# KiCad board Leopold Replacement.kicad_pcb (continued)
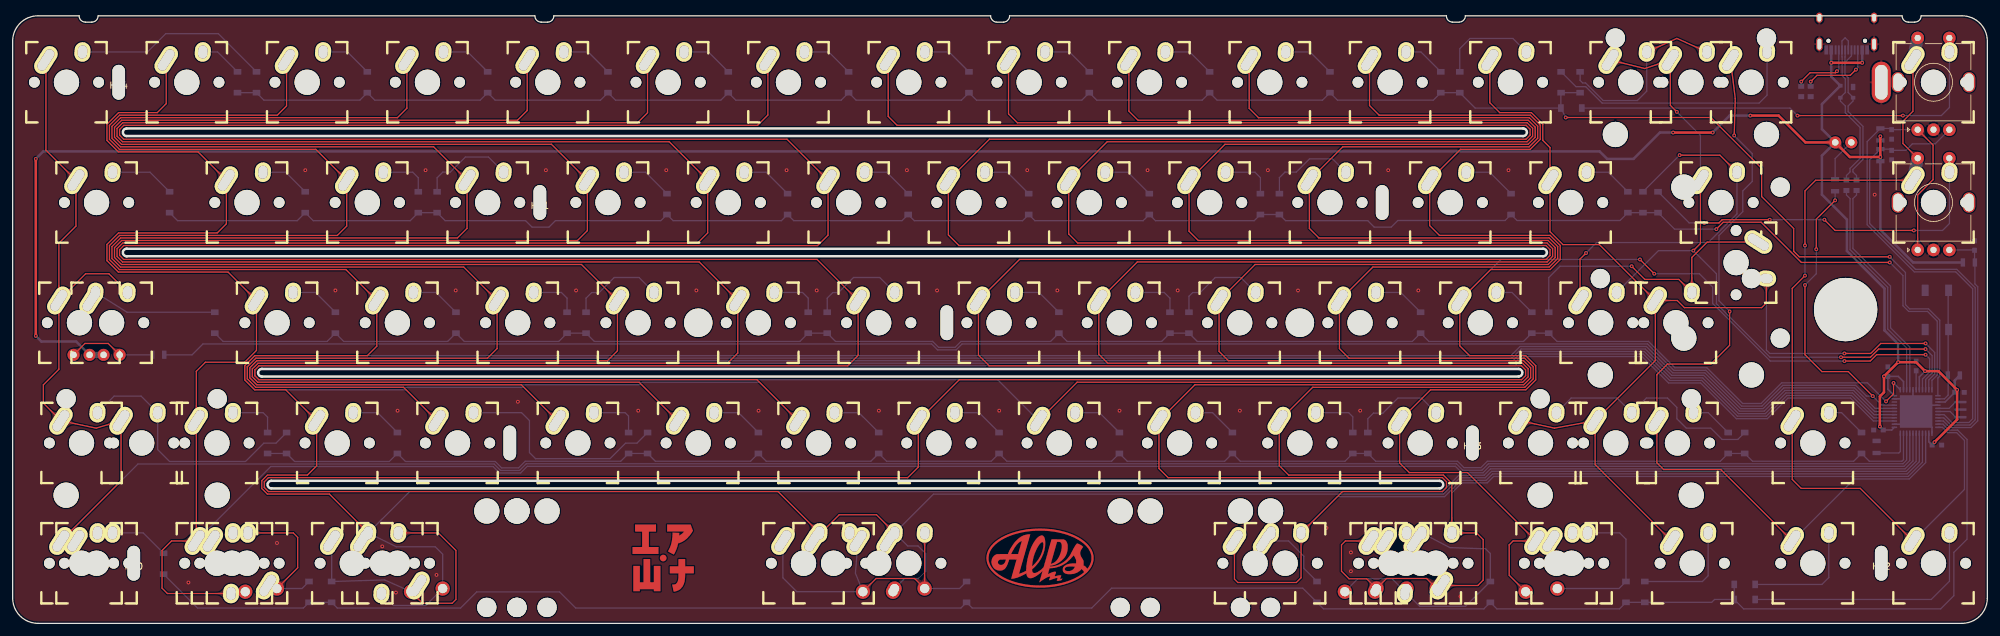
[diagram p0: board, top side]
## Routing (per net, layer and track width the routed paths; a pad name or vN(x,y) marks a point on that pad's centre or on a via; arc(x,y) is an arc through that point)
+5V: length 489.3
  Top w0.4: v1(295.06,77) v1(295.06,73.73) 290.25,73.73 D72.2 283.22,76.04 278.99,80.27 v1(274.52,80.27) ; v1(287.3,88.62) v1(292.2,88.62) ; v1(3.66,45.45) v1(3.66,73.43) ; v1(303.62,28.65) 307.19,32.22 v1(307.19,36.91) 304.23,39.88 v1(302.12,39.88) 300.71,41.29 v1(297.87,41.29) v1(295.64,39.06) 295.64,36.54 294.99,35.89 v1(294.99,31.12) ; v1(262.32,77.6) v1(268.57,77.6)
  Bottom w0.25: U2.7 301.22,38.97 v1(302.12,39.88) ; C5.2 296.85,30.57 U2.34 ; U2.14 305.29,34.99 C4.2 ; U2.44 296.25,37.02 C1.2 297.9,39.04 298.72,38.22 U2.2 ; C7.2 302.72,28.71 U2.24
  Bottom w0.4: USB1.2 v1(287.3,88.62) 287.3,86.45 U1.4 285.84,82.09 285.84,78.14 D72.2 285.84,73.94 285.84,67.77 289.78,63.83 289.78,58.87 295.72,52.93 295.72,46.32 297.87,44.17 v1(297.87,41.29) ; v1(295.06,73.73) R2.1 295.06,62.23 300.23,57.06 R7.1 ; v1(307.19,36.91) C4.2 306.81,38.39 R5.1 ; v1(3.66,45.45) 4.55,44.56 10.04,44.56 D71.2 ; v1(262.32,77.6) 260.24,77.6 256.07,73.43 251.9,73.43 250.71,74.62 4.85,74.62 v1(3.66,73.43) ; C1.2 v1(295.64,39.06) ; C5.2 v1(294.99,31.12) ; v1(268.57,77.6) 271.25,80.27 v1(274.52,80.27) ; R1.2 v1(295.06,77) ; C7.2 v1(303.62,28.65) ; USB1.11 v1(292.2,88.62)
  Bottom w1: D71.2 D55.2
GND: length 20.5
  Bottom w0.25: U2.23 303.22,30.99 U2.45 ; U2.45 298.72,31.49 U2.35 ; U2.45 300.22,33.99 U2.5 ; U2.45 298.72,35.49 U2.43 ; U2.45 301.72,34.49 U2.15
  vias: v1(27.77,6.46) v1(41.76,12.71) v1(46.22,71.64) v1(50.98,52.63) v1(58.39,12.17) v1(60.55,4.86) v1(60.81,33.62) v1(65.23,71.64) v1(66.96,7.66) v1(69.99,52.63) v1(79.82,35.03) v1(84.24,71.64) v1(89,52.63) v1(98.83,33.62) v1(103.25,71.64) v1(108.01,52.63) v1(117.84,33.62) v1(122.26,71.64) v1(127.02,52.63) v1(136.85,33.62) v1(141.27,71.64) v1(146.03,52.63) v1(155.86,33.62) v1(160.28,71.64) v1(165.04,52.63) v1(174.87,33.62) v1(179.29,71.64) v1(184.05,52.63) v1(193.88,33.62) v1(198.3,71.64) v1(203.06,52.63) v1(207.55,15.09) v1(211.42,11.22) v1(211.42,8.24) v1(212.89,33.62) v1(217.31,71.64) v1(222.07,52.63) v1(228.73,4.25) v1(236.32,71.64) v1(294.17,67.77)
/R+: length 25.9
  Bottom w0.2: USB1.8 290.5,89.73 289.48,88.71 289.48,88.46 ; 289.48,88.46 289.48,86.78 289.98,86.28 289.98,83.93 290.75,83.15 U1.2 290.75,82.58 289.98,81.8 289.98,80.92 292.31,78.58 292.31,73.34 290.73,71.75 290.73,71.37 291.3,70.8 R3.2 ; 289.48,88.46 289.48,89.54 289.5,89.57 USB1.6
/R-: length 27.5
  Bottom w0.2: USB1.7 290,92.08 289.53,92.55 289.47,92.55 289,92.08 USB1.5 289,89.57 289.02,89.54 289.02,86.59 289.52,86.09 289.52,83.93 288.75,83.15 U1.3 288.75,82.58 289.52,81.8 289.52,80.73 291.86,78.4 291.86,73.52 290.28,71.94 290.28,71.37 289.7,70.8 R4.2
Col0: length 411.7
  Top w0.2: MX87.1 7.3,60.1 10,62.81 MX2.1 5.25,74.81 5.25,89.07 ; MX87.1 7.3,40.16 4.85,37.71 4.85,34.82 MX58.1 13.18,30.86 MX4.1 17.13,22.53 MX55.1 ; MX87.1 11.52,55.27 15.2,55.27 MX3.2
  Bottom w0.2: U2.31 299.22,25.81 298.63,25.23 233.14,25.23 232.12,24.21 229.11,24.21 228.1,25.23 81.14,25.23 80.09,24.18 77.08,24.18 76.06,25.19 19.79,25.19 MX55.1
Col1: length 448.4
  Top w0.2: 24.26,89.07 24.26,82.16 22.84,80.74 16.73,80.74 14.89,78.9 14.89,76.35 16.7,74.54 29.28,74.54 MX6.1 33.77,63.17 32.32,61.73 16.73,61.73 14.89,59.89 14.89,57.34 16.7,55.53 34.03,55.53 MX7.1 38.52,43.15 36.65,41.28 30.44,41.28 29.01,39.85 MX8.1 MX67.1 25.11,13.03 23.6,11.52 23.6,5.56 24.45,4.72 MX91.2
  Bottom w0.2: U2.30 299.72,25.74 298.8,24.83 233.3,24.83 232.29,23.81 228.95,23.81 227.93,24.83 81.3,24.83 80.25,23.78 76.91,23.78 75.9,24.79 40.78,24.79 MX67.1
Col2: length 538.3
  Top w0.2: MX68.2 50.04,20.43 40.24,20.43 39.35,21.32 39.35,22.55 40.24,23.43 46.55,23.43 48.02,24.91 MX12.1 43.14,36.92 38.23,36.92 36.67,38.49 36.67,40.73 38.26,42.32 56.04,42.32 57.53,43.81 MX11.1 52.64,55.93 16.87,55.93 15.29,57.51 15.29,59.73 16.89,61.33 51.29,61.33 52.77,62.81 MX10.1 47.89,74.94 16.87,74.94 15.29,76.52 15.29,78.74 16.89,80.34 41.81,80.34 43.27,81.8 43.27,89.07
  Bottom w0.2: U2.29 300.22,25.68 298.97,24.43 233.47,24.43 232.46,23.41 228.47,23.41 225.89,20.83 62.71,20.83 MX68.2 60.61,12.1 66.76,12.11 67.93,10.93 MX92.1 65.25,2.82 60.15,2.82 MX93.2
Col3: length 633.3
  Top w0.2: 62.28,89.07 62.28,81.44 60.78,79.94 17.06,79.94 15.69,78.57 15.69,76.69 17.04,75.34 66.5,75.34 71.78,70.06 71.78,62.45 70.26,60.93 17.06,60.93 15.69,59.56 15.69,57.68 17.04,56.33 71.25,56.33 MX15.1 76.54,43.45 75,41.92 38.42,41.92 37.07,40.56 37.07,38.65 38.4,37.32 61.75,37.32 MX16.1
  Bottom w0.2: U2.40 294.23,33.99 290.99,37.23 279.81,37.23 276.54,33.95 272.98,33.95 267.33,39.61 262.27,39.61 258.1,43.77 238.14,43.77 236.69,42.32 38.26,42.32 36.67,40.73 36.67,38.49 38.23,36.92 62.15,36.92 MX16.1
Col4: length 762.9
  Top w0.2: MX20.1 80.36,37.72 38.57,37.72 37.47,38.82 37.47,40.4 38.59,41.52 93.97,41.52 95.55,43.09 MX19.1 89.86,56.73 17.2,56.73 16.09,57.84 16.09,59.4 17.22,60.53 89.23,60.53 90.8,62.09 MX18.1 85.11,75.74 17.2,75.74 16.09,76.85 16.09,78.41 17.22,79.54 79.75,79.54 81.29,81.08 81.29,89.07
  Bottom w0.2: U2.39 294.16,33.49 290.83,36.83 279.98,36.83 276.71,33.55 272.82,33.55 267.16,39.21 262.1,39.21 257.93,43.37 238.31,43.37 236.85,41.92 38.42,41.92 37.07,40.56 37.07,38.65 38.4,37.32 80.76,37.32 MX20.1
Col5: length 892.5
  Top w0.2: MX24.1 98.97,38.12 38.73,38.12 37.87,38.99 37.87,40.23 38.75,41.12 112.94,41.12 114.56,42.73 MX23.1 108.47,57.13 17.37,57.13 16.49,58.01 16.49,59.23 17.39,60.13 108.2,60.13 109.81,61.73 MX22.1 103.72,76.14 17.37,76.14 16.49,77.02 16.49,78.24 17.39,79.14 98.72,79.14 100.3,80.72 100.3,89.07
  Bottom w0.2: U2.38 294.09,32.99 290.66,36.43 280.15,36.43 276.87,33.15 272.65,33.15 267,38.81 261.94,38.81 257.77,42.97 238.47,42.97 237.02,41.52 38.59,41.52 37.47,40.4 37.47,38.82 38.57,37.72 99.37,37.72 MX24.1
Col6: length 1022.1
  Top w0.2: 119.31,89.07 119.31,80.36 117.69,78.74 17.56,78.74 16.89,78.08 16.89,77.18 17.53,76.54 122.33,76.54 MX26.1 128.81,61.38 127.17,59.73 17.55,59.73 16.89,59.07 16.89,58.17 17.53,57.53 127.08,57.53 MX27.1 133.57,42.37 131.91,40.72 38.92,40.72 38.27,40.07 38.27,39.15 38.9,38.52 117.58,38.52 MX28.1
  Bottom w0.2: MX28.1 117.98,38.12 38.73,38.12 37.87,38.99 37.87,40.23 38.75,41.12 237.19,41.12 238.64,42.57 257.6,42.57 261.77,38.41 266.83,38.41 272.49,32.75 277.04,32.75 280.31,36.03 290.5,36.03 294.03,32.49 U2.37
Col7: length 1006.3
  Top w0.2: MX82.1 130.58,17.17 136.47,17.17 MX86.2 ; 138.32,89.07 138.32,80.15 139.73,78.74 239.1,78.74 239.73,78.11 239.73,77.19 239.08,76.54 154.31,76.54 147.82,70.06 147.82,61.41 149.5,59.74 242.23,59.74 242.89,59.08 242.89,58.18 242.24,57.53 159.06,57.53 MX31.1 152.58,42.41 154.27,40.72 238.37,40.72 239.02,40.07 239.02,39.15 238.39,38.52 149.56,38.52 MX32.1 143.07,24.71 141.4,23.03 40.41,23.03 39.75,22.38 39.75,21.49 40.41,20.83 120.92,20.83 MX83.2
  Bottom w0.2: U2.28 300.72,25.61 299.13,24.03 233.64,24.03 232.62,23.01 228.63,23.01 226.05,20.43 145.48,20.43 MX86.2 141.41,12.23 143.03,12.23 144.24,11.02 144.24,8.23 143.1,7.09 140.9,7.09 MX85.1
Col8: length 884.7
  Top w0.2: 157.33,89.07 157.33,80.55 158.74,79.14 239.27,79.14 240.13,78.27 240.13,77.03 239.25,76.14 172.92,76.14 MX34.1 166.84,61.56 168.26,60.14 242.4,60.14 243.29,59.24 243.29,58.02 242.4,57.13 177.67,57.13 MX35.1 171.59,42.56 173.02,41.12 238.53,41.12 239.42,40.23 239.42,38.99 238.56,38.12 168.17,38.12 MX36.1
  Bottom w0.2: MX36.1 155.6,38.52 38.9,38.52 38.27,39.15 38.27,40.07 38.92,40.72 237.35,40.72 238.81,42.17 257.44,42.17 261.61,38.01 266.67,38.01 272.32,32.35 277.2,32.35 280.48,35.63 290.33,35.63 293.96,31.99 U2.36
Col9: length 590
  Top w0.2: MX77.1 193.02,6.99 193.56,6.46 202.79,6.46 203.55,7.22 MX79.2 210.09,20.83 225.87,20.83 226.52,21.49 226.52,22.38 225.87,23.03 182.55,23.03 181.09,24.49 MX40.1 186.78,37.72 238.72,37.72 239.82,38.82 239.82,40.4 238.7,41.52 192.07,41.52 190.6,43 MX39.1 196.28,56.73 242.57,56.73 243.69,57.85 243.69,59.41 242.56,60.54 187.31,60.54 185.84,62 MX38.1 191.53,75.74 239.41,75.74 240.53,76.86 240.53,78.44 239.43,79.54 177.79,79.54 176.34,80.99 176.34,89.07
  Bottom w0.2: U2.27 301.22,25.55 299.3,23.63 233.8,23.63 232.79,22.61 228.8,22.61 226.22,20.03 209.29,20.03 MX79.2
Col10: length 442.2
  Top w0.2: MX69.1 223.39,7.09 217.04,7.09 MX71.1 213.92,7.05 211.12,7.05 209.93,8.24 209.93,12.41 210.55,13.03 MX72.1 ; 195.35,89.07 195.35,81.43 196.84,79.94 239.6,79.94 240.93,78.61 240.93,76.7 239.58,75.34 210.14,75.34 MX42.1 204.85,62.44 206.36,60.94 242.73,60.94 244.09,59.57 244.09,57.69 242.73,56.33 214.89,56.33 MX43.1 209.61,43.44 211.12,41.92 238.87,41.92 240.22,40.56 240.22,38.65 238.89,37.32 205.39,37.32 MX44.1 200.1,24.93 201.6,23.43 226.03,23.43 227.36,22.1 MX80.2 231.27,14.3 232.31,13.25 232.31,6.83 231.47,5.99 MX96.1
  Bottom w0.2: MX80.2 227.36,20.61 228.96,22.21 232.95,22.21 233.97,23.23 299.46,23.23 301.72,25.48 U2.26
Col11: length 292
  Top w0.2: v1(259.34,55.27) v1(257.08,57.53) ; 214.36,89.07 214.36,81.87 215.89,80.34 239.76,80.34 241.33,78.77 241.33,76.53 239.74,74.94 228.75,74.94 MX46.1 223.87,62.88 225.41,61.34 242.89,61.34 244.49,59.74 244.49,57.52 242.9,55.93 233.5,55.93 MX47.1 228.62,43.88 230.17,42.32 239.03,42.32 240.62,40.73 240.62,38.49 239.05,36.92 224,36.92 MX48.1 219.11,25.37 220.65,23.83 229.84,23.83 MX84.1 237.04,13.03 236.42,12.41 236.42,7.61 MX70.2 ; v1(302.21,42.47) 294.47,42.47 293.47,41.47 v1(289.38,41.47)
  Bottom w0.2: v1(289.38,41.47) 277.67,41.47 268.57,50.57 268.57,53.19 266.48,55.27 v1(259.34,55.27) ; U2.8 301.72,38.62 302.85,39.75 302.85,41.83 v1(302.21,42.47) ; v1(257.08,57.53) 235.1,57.53 MX47.1
Col12: length 182
  Top w0.2: MX74.1 250,25.11 MX52.1 ; MX64.2 277.06,50.66 276.31,49.91 264.11,49.91 262.97,51.05 MX51.1 ; MX52.1 259.51,41.54 MX51.1 ; MX52.1 243.57,30.86 MX89.1 ; v1(302.21,44.26) 295.12,44.26 293.54,42.67 v1(289.38,42.67) ; MX51.1 250.68,59.88 244.92,59.88 242.88,61.92 MX50.1 242.88,75.22 241.73,76.36 241.73,78.94 239.93,80.74 234.94,80.74 233.37,82.31 233.37,89.07
  Bottom w0.2: v1(302.21,44.26) 303.65,42.82 303.65,39.42 302.72,38.49 U2.10 ; v1(289.38,42.67) 277.6,42.67 277.06,43.21 MX64.2
Col13: length 111.6
  Top w0.2: v1(302.21,43.36) 294.79,43.36 293.5,42.07 v1(288.84,42.07) ; MX54.1 266.64,60.06 v1(265.51,58.93) ; v1(262.92,80.87) 261.88,81.9 261.88,89.07 257.86,87.72 252.38,89.07
  Bottom w0.2: MX54.1 266.64,77.14 v1(262.92,80.87) ; U2.9 302.22,38.55 303.25,39.58 303.25,42.32 302.21,43.36 v1(302.21,43.36) ; v1(288.84,42.07) 277.63,42.07 269.17,50.54 269.17,55.27 v1(265.51,58.93) 260.02,58.93 MX65.2
Col14: length 133.9
  Top w0.2: v1(271.97,77.13) 272.14,82.95 271.39,89.07 ; v1(271.25,49.31) 271.25,43.96 268.27,40.98 261.43,40.98 259.76,39.31 MX60.1 259.76,25.39 260.83,24.31 269.86,24.31 MX75.1
  Bottom w0.2: v1(271.25,49.31) 269.57,51 269.57,61.33 273.33,65.09 273.33,68.37 274.82,69.86 274.82,74.28 v1(271.97,77.13) ; U2.25 302.22,25.42 299.63,22.83 290.95,22.83 MX75.1
Col15: length 135.9
  Top w0.2: 300.2,89.07 300.2,80.95 298.63,79.38 298.63,75.86 SW3.S2 ; MX76.1 291.89,21.34 282.56,21.34 281.14,22.75 MX56.1 281.14,52.96 v1(283.16,54.97) ; v1(283.16,59.74) 283.16,68.37 284.84,70.06 MX62.1
  Bottom w0.2: MX76.1 308.35,21.18 308.35,28.91 307.11,30.16 305.71,30.16 304.87,30.99 U2.22 ; v1(283.16,54.97) v1(283.16,59.74)
  Bottom w2: MX62.1 SW3.S2 ; 300.2,89.07 300.96,92.55
D+: length 35.5
  Bottom w0.2: U2.4 299.72,43.67 296.68,46.72 296.68,53.32 290.73,59.26 290.73,67.15 291.3,67.72 R3.1
D-: length 35.4
  Bottom w0.2: R4.1 289.7,67.72 290.28,67.15 290.28,59.08 296.23,53.13 296.23,46.53 299.22,43.54 U2.3
EC_A: length 90.9
  Top w0.2: SW3.A 300.96,67.72 303.4,70.15 303.4,75.61 300.96,78.05
  Bottom w0.2: U2.18 305.14,32.99 306.37,31.76 309.05,31.76 309.65,32.35 309.65,52.89 306.97,55.57 300.42,55.57 292.98,63.01 292.98,76.16 R1.1 296.91,78.25 ; 300.96,78.05 296.7,78.05
EC_B: length 73.2
  Bottom w0.2: 305.96,78.05 303.72,75.81 300.12,75.81 299.09,74.77 C3.1 ; U2.19 305.07,32.49 306.21,31.36 309.22,31.36 310.05,32.19 310.05,53.06 307.13,55.97 300.62,55.97 293.38,63.21 293.38,73.29 R2.2 296.91,74.97
EC_C: length 38.4
  Bottom w0.2: U2.20 305.01,31.99 306.04,30.96 309.38,30.96 310.45,32.02 310.45,53.22 310,53.67 R7.2 ; SW3.B 310.05,59.04 ; C8.1 309.95,57.06
Row0: length 319.2
  Top w0.2: v1(245.35,79.98) 268.27,79.98 276.31,71.94 276.31,67.48 281.37,62.41 281.37,58.84 282.26,57.95 v1(296.55,57.95)
  Bottom w0.2: U2.12 304.16,38.8 304.45,39.09 304.45,47.94 302.67,49.72 299.69,49.72 299.03,50.38 299.03,55.46 296.55,57.95 v1(296.55,57.95) ; D5.1 D1.1 39.71,82.71 54.84,82.71 D9.1 57.22,82.71 73.85,82.71 D13.1 76.23,82.71 92.86,82.71 D17.1 95.24,82.71 111.87,82.71 D21.1 114.25,82.71 130.88,82.71 D25.1 133.26,82.71 149.89,82.71 D29.1 152.27,82.71 168.9,82.71 D33.1 171.28,82.71 187.91,82.71 D37.1 190.29,82.71 206.92,82.71 D41.1 209.3,82.71 224.43,82.71 D45.1 D49.1 231.05,81.47 D61.1 ; D61.1 v1(245.35,79.98) ; D61.1 244.6,83.98 ; D57.1 D53.1
Row1: length 311.7
  Top w0.2: v1(269.15,62.33) 270.24,63.41 276.24,63.41 282.59,57.06 v1(296.55,57.06)
  Bottom w0.2: U2.11 303.22,38.42 304.05,39.25 304.05,47.78 302.5,49.32 299.53,49.32 298.63,50.21 298.63,54.97 v1(296.55,57.06) ; D2.1 26.06,63.66 44.95,63.66 D6.1 47.49,63.66 62.81,63.66 D10.1 D14.1 68.33,63.66 81.04,63.66 82.05,62.65 84.73,62.65 85.74,63.66 102.4,63.66 D18.1 104.35,63.66 121.45,63.66 D22.1 123.4,63.66 140.5,63.66 D26.1 142.45,63.66 159.55,63.66 D30.1 161.5,63.66 178.6,63.66 D34.1 180.55,63.66 196.15,63.66 D38.1 D42.1 201.1,63.66 214.09,63.66 215.1,62.65 217.78,62.65 218.83,63.69 235.78,63.69 D46.1 237.66,63.69 253.94,63.69 D50.1 D54.1 D62.1 262.55,62.33 v1(269.15,62.33)
Row2: length 285.6
  Top w0.2: v1(295.96,35.09) 297.15,36.28 v1(297.15,38.01)
  Bottom w0.2: D3.1 33.24,44.57 49.68,44.57 D7.1 52.29,44.57 68.73,44.57 D11.1 71.34,44.57 86.28,44.57 D15.1 D19.1 91.89,44.57 124.38,44.57 D23.1 D27.1 129.99,44.57 145.34,44.57 146.28,43.63 148.88,43.63 149.82,44.57 163.98,44.57 D31.1 166.59,44.57 181.53,44.57 D35.1 D39.1 187.14,44.57 221.13,44.57 D43.1 223.74,44.57 238.69,44.57 D47.1 D51.1 243.98,44.57 258.43,44.57 262.6,40.41 267.66,40.41 273.31,34.76 276.22,34.76 279.48,38.03 293.02,38.03 v1(295.96,35.09)
  Bottom w0.25: v1(297.15,38.01) 298.22,36.94 U2.1
Row3: length 275.2
  Bottom w0.2: U2.32 298.72,25.88 298.47,25.63 293.32,25.63 D56.1 290.85,25.63 274.87,25.63 D52.1 D58.1 269.78,25.63 232.97,25.63 231.96,24.61 229.28,24.61 228.27,25.63 215.34,25.63 D48.1 D44.1 210.48,25.63 193.95,25.63 D40.1 191.47,25.63 176.08,25.63 D36.1 173.6,25.63 157.07,25.63 D32.1 154.59,25.63 138.06,25.63 D28.1 135.58,25.63 119.05,25.63 D24.1 116.57,25.63 101.54,25.63 D16.1 D20.1 96.06,25.63 80.97,25.63 79.92,24.58 77.24,24.58 76.23,25.59 62.05,25.59 D12.1 59.51,25.59 44.54,25.59 D4.1 D8.1
Row4: length 327.8
  Bottom w0.2: D66.1 268.87,3.78 268.41,3.32 D64.1 D69.1 253.85,2.29 234.48,2.29 D68.1 232.42,2.29 207.09,2.29 D67.1 203.82,5.56 173.62,5.56 170.48,2.42 151.59,2.42 D70.1 149.81,2.42 88.95,2.42 86.4,4.97 73.31,4.97 70.76,2.42 51.28,2.42 D63.1 D60.1 45.92,2.42 29.2,2.42 D59.1 ; D66.1 D65.1 ; D66.1 273.47,2.29 304.59,2.29 306.67,4.37 306.67,11.22 308.75,13.3 308.75,29.08 307.28,30.56 305.88,30.56 304.94,31.49 U2.21
RST: length 18.5
  Bottom w0.2: U2.13 305.19,35.49 305.78,36.08 305.78,52.58 SW1.2
Net-(C6-Pad1): length 3
  Bottom w0.2: U2.6 C6.1
Net-(D1-Pad2): length 31.2
  Bottom w0.2: MX1.2 21.29,90.34 24.2,93.24 32.48,93.24 D1.2
Net-(D2-Pad2): length 10.3
  Bottom w0.2: D2.2 21.7,71.33 MX2.2
Net-(D3-Pad2): length 19.8
  Bottom w0.2: D3.2 18.08,49.18 MX87.2
Net-(D4-Pad2): length 40.5
  Bottom w0.2: MX58.2 16.02,35.92 20.29,35.92 MX4.2 22.91,27.48 24.79,25.59 36.78,25.59 39.67,28.48 41.59,28.48 D4.2
Net-(D5-Pad2): length 6.8
  Bottom w0.2: D5.2 32.38,90.34 30.03,90.34
Net-(D6-Pad2): length 8
  Bottom w0.2: D6.2 43.13,71.33 MX6.2
Net-(D7-Pad2): length 8
  Bottom w0.2: MX7.2 47.85,52.32 D7.2
Net-(D8-Pad2): length 8.2
  Bottom w0.2: MX8.2 39.57,33.31 40.27,32.6 D8.2
Net-(D9-Pad2): length 8.3
  Bottom w0.2: MX9.2 52.89,90.34 D9.2
Net-(D10-Pad2): length 8.1
  Bottom w0.2: D10.2 64.08,70.45 63.21,71.33 MX10.2
Net-(D11-Pad2): length 8
  Bottom w0.2: D11.2 66.9,52.32 MX11.2
Net-(D12-Pad2): length 8.3
  Bottom w0.2: D12.2 57.64,33.31 MX12.2
Net-(D13-Pad2): length 8.3
  Bottom w0.2: 68.06,90.34 71.9,90.34 D13.2
Net-(D14-Pad2): length 15.1
  Bottom w0.2: D14.2 67.06,70.45 67.95,71.34 69.14,71.34 71.52,73.73 75.16,73.73 MX14.2
Net-(D15-Pad2): length 7.9
  Bottom w0.2: D15.2 87.58,51.41 86.68,52.32 MX15.2
Net-(D16-Pad2): length 35.2
  Bottom w0.2: D16.2 98.62,28.48 96.82,28.48 94.37,26.03 82.61,26.03 81.64,26.99 81.64,32.05 80.39,33.31 MX16.2
Net-(D17-Pad2): length 8.3
  Bottom w0.2: MX17.2 90.91,90.34 D17.2
Net-(D18-Pad2): length 8.2
  Bottom w0.2: MX18.2 99.98,71.33 D18.2
Net-(D19-Pad2): length 15.3
  Bottom w0.2: MX19.2 98.96,54.68 95.04,54.68 92.66,52.29 91.46,52.29 90.58,51.41 D19.2
Net-(D20-Pad2): length 8.3
  Bottom w0.2: MX20.2 96.76,33.31 97.3,32.76 D20.2
Net-(D21-Pad2): length 8.3
  Bottom w0.2: D21.2 109.92,90.34 MX21.2
Net-(D22-Pad2): length 8.2
  Bottom w0.2: D22.2 119.03,71.33 MX22.2
Net-(D23-Pad2): length 8
  Bottom w0.2: MX23.2 124.78,52.32 125.68,51.41 D23.2
Net-(D24-Pad2): length 8.3
  Bottom w0.2: D24.2 114.67,33.31 MX24.2
Net-(D25-Pad2): length 8.3
  Bottom w0.2: D25.2 128.93,90.34 MX25.2
Net-(D26-Pad2): length 8.3
  Bottom w0.2: D26.2 138.08,71.33 MX26.2
Net-(D27-Pad2): length 15.2
  Bottom w0.2: MX27.2 136.98,54.68 132.84,54.68 130.46,52.29 129.56,52.29 128.68,51.41 D27.2
Net-(D28-Pad2): length 8.3
  Bottom w0.2: D28.2 133.68,33.31 MX28.2
Net-(D29-Pad2): length 8.3
  Bottom w0.2: D29.2 147.94,90.34 MX29.2
Net-(D30-Pad2): length 8.3
  Bottom w0.2: D30.2 157.13,71.33 MX30.2
Net-(D31-Pad2): length 8.2
  Bottom w0.2: MX31.2 162.15,52.32 D31.2
Net-(D32-Pad2): length 8.3
  Bottom w0.2: D32.2 152.69,33.31 MX32.2
Net-(D33-Pad2): length 8.3
  Bottom w0.2: D33.2 166.95,90.34 163.1,90.34
Net-(D34-Pad2): length 8.4
  Bottom w0.2: D34.2 176.18,71.33 MX34.2
Net-(D35-Pad2): length 8.1
  Bottom w0.2: MX35.2 181.93,52.32 182.83,51.41 D35.2
Net-(D36-Pad2): length 8.3
  Bottom w0.2: D36.2 171.7,33.31 MX36.2
Net-(D37-Pad2): length 8.3
  Bottom w0.2: D37.2 185.96,90.34 MX37.2
Net-(D38-Pad2): length 8.4
  Bottom w0.2: MX38.2 196.26,71.33 197.12,70.46 D38.2
Net-(D39-Pad2): length 15.3
  Bottom w0.2: MX39.2 194.01,54.68 189.99,54.68 187.61,52.29 186.42,52.29 185.83,51.71 D39.2
Net-(D40-Pad2): length 7.1
  Bottom w0.2: D40.2 189.57,33.31 MX40.2
Net-(D41-Pad2): length 8.3
  Bottom w0.2: D41.2 204.97,90.34 MX41.2
Net-(D42-Pad2): length 15.1
  Bottom w0.2: MX42.2 208.53,73.43 204.87,73.43 202.79,71.34 201,71.34 200.12,70.46 D42.2
Net-(D43-Pad2): length 8.3
  Bottom w0.2: D43.2 219.3,52.32 MX43.2
Net-(D44-Pad2): length 8.6
  Bottom w0.2: MX44.2 211.06,33.31 211.72,32.65 D44.2
Net-(D45-Pad2): length 6.8
  Bottom w0.2: MX45.2 222.48,90.34 D45.2
Net-(D46-Pad2): length 8.5
  Bottom w0.2: D46.2 233.33,71.33 MX46.2
Net-(D47-Pad2): length 6.9
  Bottom w0.2: MX47.2 236.86,52.32 D47.2
Net-(D48-Pad2): length 15.3
  Bottom w0.2: MX48.2 222.57,35.63 218.86,35.63 216.48,33.24 214.99,33.24 214.1,32.35 D48.2
Net-(D49-Pad2): length 15.7
  Bottom w0.2: D49.2 228.62,90.86 230.23,92.47 237.01,92.47 MX49.2
Net-(D50-Pad2): length 7.8
  Bottom w0.2: D50.2 252.08,71.33 MX50.2
Net-(D51-Pad2): length 47.6
  Top w0.2: MX64.1 267.72,60.29 265.28,57.85 MX51.2 263.22,54.38 257.86,54.38 v1(255.77,56.46)
  Bottom w0.2: D51.2 242.67,54.68 244.46,56.46 v1(255.77,56.46)
Net-(D52-Pad2): length 36.8
  Bottom w0.2: D52.2 272.54,29.08 270.06,29.08 268.27,30.86 264.4,30.86 262.92,32.35 262.92,34.14 261.43,35.63 258.1,35.63 MX52.2 253.46,35.63 246.22,35.63 MX89.2
Net-(D53-Pad2): length 30.4
  Top w0.2: MX53.2 262.92,92.48 MX63.2
  Bottom w0.2: MX53.2 258.15,84.15 256.66,82.66 251.28,82.66 248.5,85.44 248.03,85.44 247.63,85.84 D53.2
Net-(D54-Pad2): length 59.3
  Top w0.2: v1(248.57,58.55) 247.63,57.61 MX65.1 ; v1(263.35,74.02) 269.71,74.02 MX54.2
  Bottom w0.2: D54.2 v1(263.35,74.02) ; MX54.2 272.41,64.74 267.88,60.21 250.23,60.21 v1(248.57,58.55)
Net-(D55-Pad1): length 14
  Top w0.2: D71.1 11.42,44.26 15.09,44.26 D55.1
  Bottom w0.2: D55.1 22.14,42.45
Net-(D56-Pad2): length 6.5
  Bottom w0.2: D56.2 288.94,33.31 MX56.2
Net-(D57-Pad2): length 41.9
  Bottom w0.2: D57.2 246.98,84.84 248.53,84.84 251.11,82.26 275.91,82.26 277.17,83.51 MX57.2
Net-(D58-Pad2): length 6.8
  Bottom w0.2: MX60.2 267.88,33.31 D58.2
Net-(D59-Pad2): length 9.4
  Bottom w0.2: MX88.2 20.63,14.3 D59.2
Net-(D60-Pad2): length 23.1
  Top w0.2: MX59.2 44.33,14.3 45.03,13.6 45.03,8.79 MX90.1
  Bottom w0.2: MX90.1 45.7,5.51 D60.2
Net-(D61-Pad2): length 67.9
  Top w0.2: v1(298.63,80.27) v1(281.97,80.27)
  Bottom w0.2: MX61.2 305.98,81.56 304.69,80.27 v1(298.63,80.27) ; v1(281.97,80.27) 280.78,81.47 D61.2
Net-(D62-Pad2): length 57.6
  Top w0.2: v1(277.59,63.81) 270.07,63.81 269.57,63.31 v1(267.24,63.31) ; v1(300.36,62.12) 287.92,62.12 v1(286.22,63.81)
  Bottom w0.2: D62.2 264.86,63.31 v1(267.24,63.31) ; v1(277.59,63.81) v1(286.22,63.81) ; v1(300.36,62.12) 304.89,62.12 305.98,63.21 MX62.2
Net-(D63-Pad2): length 45.3
  Top w0.2: MX66.2 67.25,14.3 70.03,11.52 70.03,3.78 69.44,3.18 64.76,3.18 MX92.2
  Bottom w0.2: D63.2 58.77,6.86 MX92.2 ; MX68.1 50.4,6.74
Net-(D64-Pad2): length 17.1
  Bottom w0.2: D64.2 266.95,6.62 267.86,7.53 MX74.2
Net-(D65-Pad2): length 19.1
  Bottom w0.2: D65.2 285.84,6.16 286.92,7.24 MX75.2
Net-(D66-Pad2): length 39.5
  Bottom w0.2: D66.2 303.1,3.78 305.98,6.66 MX76.2
Net-(D67-Pad2): length 12.1
  Bottom w0.2: MX79.1 201.58,13.03 203.98,10.62 203.98,8.7 D67.2
Net-(D68-Pad2): length 43.4
  Bottom w0.2: MX71.2 212.51,7.05 217.92,7.05 MX69.2 222.28,2.69 229.52,2.69 D68.2 233.45,11.03 232.7,11.79 227.04,11.98 MX78.2
Net-(D69-Pad2): length 24.5
  Bottom w0.2: MX81.2 253.88,14.3 254.88,13.3 D69.2 253.77,5.51 MX70.1
Net-(D70-Pad2): length 54.8
  Top w0.2: MX94.2 MX73.1 142.49,7.09 136.4,7.09 MX85.2
  Bottom w0.2: MX83.1 121.69,7.19 123.87,5.01 MX85.2 133.14,7.94 MX86.1 ; D70.2 149.59,5.51 MX73.1
Net-(D72-Pad1): length 7.9
  Bottom w0.2: 290.75,76.6 290.75,75.63 ; R9.1 287.92,73.49 D72.1
Net-(R6-Pad2): length 6.7
  Bottom w0.2: R6.2 297.98,26.94 298.22,27.17 U2.33
Net-(R8-Pad2): length 322.9
  Top w0.2: v1(287.92,66.88) 284.94,63.9 v1(284.94,59.14) ; v1(283.16,53.49) 283.16,42.47 285.84,39.79 290,39.79 v1(293.87,35.92)
  Bottom w0.2: R9.2 v1(287.92,66.88) ; 23.87,42.45 28.33,42.45 30.06,44.17 145.17,44.17 146.12,43.23 149.04,43.23 149.99,44.17 258.27,44.17 262.43,40.01 267.49,40.01 273.15,34.35 276.37,34.35 279.65,37.63 291.16,37.63 292.86,35.92 v1(293.87,35.92) 295.3,34.49 U2.41 ; v1(284.94,59.14) 284.94,55.27 v1(283.16,53.49)
Net-(R10-Pad2): length 10.5
  Top w0.2: v1(288.21,87.3) 287.96,87.05 283.96,87.05 v1(282.56,85.65)
  Bottom w0.2: USB1.4 288.5,87.59 v1(288.21,87.3) ; R10.2 v1(282.56,85.65)
Net-(R11-Pad1): length 11.9
  Top w0.2: v1(291.21,87.55) 290.31,86.65 285.06,86.65 v1(284.06,85.65)
  Bottom w0.2: R11.1 v1(284.06,85.65) ; USB1.10 291.5,87.84 v1(291.21,87.55)
Net-(U2-Pad16): length 3.2
  Bottom w0.2: 306.93,34.99 305.93,33.99 U2.16
Net-(U2-Pad17): length 3.2
  Bottom w0.2: U2.17 306.08,33.49 306.98,32.59

## Copper pours and planes (outline as drawn; the poured copper is in the pictures)
+5V on Top: 286.03,75.84 286.11,75.84 286.18,75.84 286.25,75.83 286.32,75.82 286.38,75.81 286.44,75.8 286.49,75.79 286.54,75.77 286.59,75.76 286.63,75.74 287.4,75.25 287.46,75.21 287.52,75.18 288.41,76.04 287.52,76.9 287.46,76.87 287.4,76.84 286.63,76.34 286.59,76.32 286.54,76.31 286.49,76.29 286.44,76.28 286.38,76.27 286.32,76.26 286.25,76.25 286.18,76.24 286.11,76.24 286.03,76.24
+5V on Top: 289.42,74.84 289.36,74.89 289.31,74.95 289.27,75 289.23,75.05 289.19,75.1 289.16,75.15 289.13,75.2 289.11,75.24 289.08,75.29 289.06,75.34 288.87,76.22 288.85,76.29 288.83,76.35 287.6,76.38 287.62,75.14 287.69,75.12 287.75,75.1 288.64,74.91 288.68,74.89 288.73,74.87 288.77,74.84 288.82,74.81 288.87,74.78 288.92,74.74 288.97,74.7 289.03,74.66 289.08,74.61 289.14,74.55
+5V on Bottom: 286.45,77.24 286.5,77.19 286.55,77.13 286.6,77.08 286.64,77.03 286.67,76.98 286.71,76.93 286.73,76.88 286.76,76.84 286.78,76.79 286.8,76.74 286.99,75.86 287.01,75.79 287.03,75.73 288.27,75.7 288.25,76.94 288.18,76.96 288.12,76.98 287.23,77.17 287.18,77.19 287.14,77.21 287.09,77.24 287.04,77.27 286.99,77.3 286.94,77.34 286.89,77.38 286.84,77.42 286.79,77.47 286.73,77.53
+5V on Bottom: 10.66,43.65 10.72,43.59 10.77,43.54 10.81,43.49 10.85,43.43 10.89,43.38 10.92,43.34 10.95,43.29 10.98,43.24 11,43.19 11.02,43.15 11.21,42.26 11.23,42.2 11.25,42.13 12.49,42.11 12.46,43.35 12.4,43.37 12.33,43.39 11.45,43.58 11.4,43.6 11.36,43.62 11.31,43.64 11.26,43.67 11.21,43.71 11.16,43.74 11.11,43.78 11.06,43.83 11,43.88 10.95,43.93
+5V on Bottom: 286.73,74.55 286.79,74.61 286.84,74.66 286.89,74.7 286.94,74.74 286.99,74.78 287.04,74.81 287.09,74.84 287.14,74.87 287.18,74.89 287.23,74.91 288.12,75.1 288.18,75.12 288.25,75.14 288.27,76.38 287.03,76.35 287.01,76.29 286.99,76.22 286.8,75.34 286.78,75.29 286.76,75.24 286.73,75.2 286.71,75.15 286.67,75.1 286.64,75.05 286.6,75 286.55,74.95 286.5,74.89 286.45,74.84
+5V on Bottom: 12.46,41.95 13.95,41.59 14.84,42.45 13.95,43.3 12.46,42.95
+5V on Bottom: 14.05,42.95 12.57,43.3 11.67,42.45 12.57,41.59 14.05,41.95
GND on Top: 325.86,-11.29 -7.49,-11.29 -7.49,100.11 325.86,100.11
GND on Bottom: 325.86,-11.29 -7.49,-11.29 -7.49,100.11 325.86,100.11
Col0 on Top: 17.23,29.55 17.23,29.65 17.24,29.75 17.25,29.84 17.26,29.93 17.28,30.01 17.3,30.09 17.32,30.16 17.34,30.22 17.37,30.28 17.4,30.34 17.43,30.4 17.47,30.45 17.51,30.5 17.54,30.55 17.89,30.94 17.94,31 17.99,31.06 18.03,31.12 18.08,31.18 18.12,31.25 18.17,31.33 18.21,31.41 18.26,31.49 17.13,32.66 16.01,31.49 16.05,31.41 16.09,31.33 16.14,31.25 16.18,31.18 16.23,31.12 16.28,31.06 16.32,31 16.37,30.94 16.72,30.55 16.76,30.5 16.79,30.45 16.83,30.4 16.86,30.34 16.89,30.28 16.92,30.22 16.94,30.16 16.97,30.09 16.99,30.01 17,29.93 17.01,29.84 17.02,29.75 17.03,29.65 17.03,29.55
Col0 on Top: 9.32,14.86 9.24,14.78 9.17,14.72 9.09,14.66 9.02,14.61 8.95,14.56 8.89,14.52 8.82,14.49 8.76,14.46 8.69,14.43 8.63,14.41 8.57,14.4 8.51,14.38 8.45,14.37 8.38,14.37 7.86,14.34 7.79,14.33 7.72,14.32 7.64,14.31 7.56,14.3 7.48,14.28 7.39,14.26 7.31,14.24 7.22,14.21 7.18,12.58 8.81,12.62 8.84,12.71 8.86,12.79 8.88,12.88 8.9,12.96 8.91,13.04 8.92,13.11 8.93,13.19 8.94,13.26 8.97,13.78 8.98,13.84 8.99,13.91 9,13.97 9.01,14.03 9.04,14.09 9.06,14.16 9.09,14.22 9.12,14.29 9.16,14.35 9.21,14.42 9.26,14.49 9.32,14.56 9.38,14.64 9.46,14.72
Col0 on Top: 10.08,31.62 9.98,31.64 9.88,31.67 9.8,31.7 9.71,31.73 9.64,31.76 9.57,31.79 9.5,31.83 9.44,31.87 9.39,31.91 9.34,31.95 9.29,31.99 9.25,32.04 9.2,32.08 9.16,32.13 8.85,32.55 8.81,32.61 8.76,32.67 8.71,32.73 8.66,32.79 8.6,32.84 8.53,32.9 8.47,32.96 8.39,33.02 7.01,32.16 7.93,30.82 8.02,30.85 8.11,30.87 8.19,30.9 8.27,30.93 8.34,30.96 8.41,31 8.48,31.03 8.54,31.06 8.99,31.33 9.05,31.35 9.11,31.38 9.17,31.4 9.23,31.42 9.29,31.44 9.36,31.45 9.43,31.46 9.5,31.47 9.58,31.47 9.66,31.47 9.75,31.47 9.84,31.46 9.94,31.44 10.04,31.42
Col0 on Top: 14.77,31.23 14.87,31.26 14.97,31.28 15.06,31.3 15.15,31.31 15.23,31.32 15.31,31.32 15.38,31.32 15.45,31.32 15.52,31.31 15.59,31.29 15.65,31.28 15.71,31.26 15.77,31.24 15.83,31.22 16.3,30.99 16.37,30.97 16.43,30.94 16.51,30.91 16.58,30.88 16.66,30.86 16.75,30.84 16.83,30.82 16.93,30.8 17.73,32.21 16.29,32.96 16.22,32.89 16.16,32.83 16.1,32.76 16.04,32.7 15.99,32.64 15.95,32.58 15.91,32.51 15.87,32.45 15.59,32.01 15.55,31.96 15.52,31.91 15.48,31.86 15.43,31.81 15.38,31.77 15.33,31.72 15.28,31.68 15.21,31.64 15.15,31.6 15.08,31.56 15,31.52 14.91,31.49 14.82,31.46 14.72,31.42
